# KiCad board Leviathan.kicad_pcb (continued)
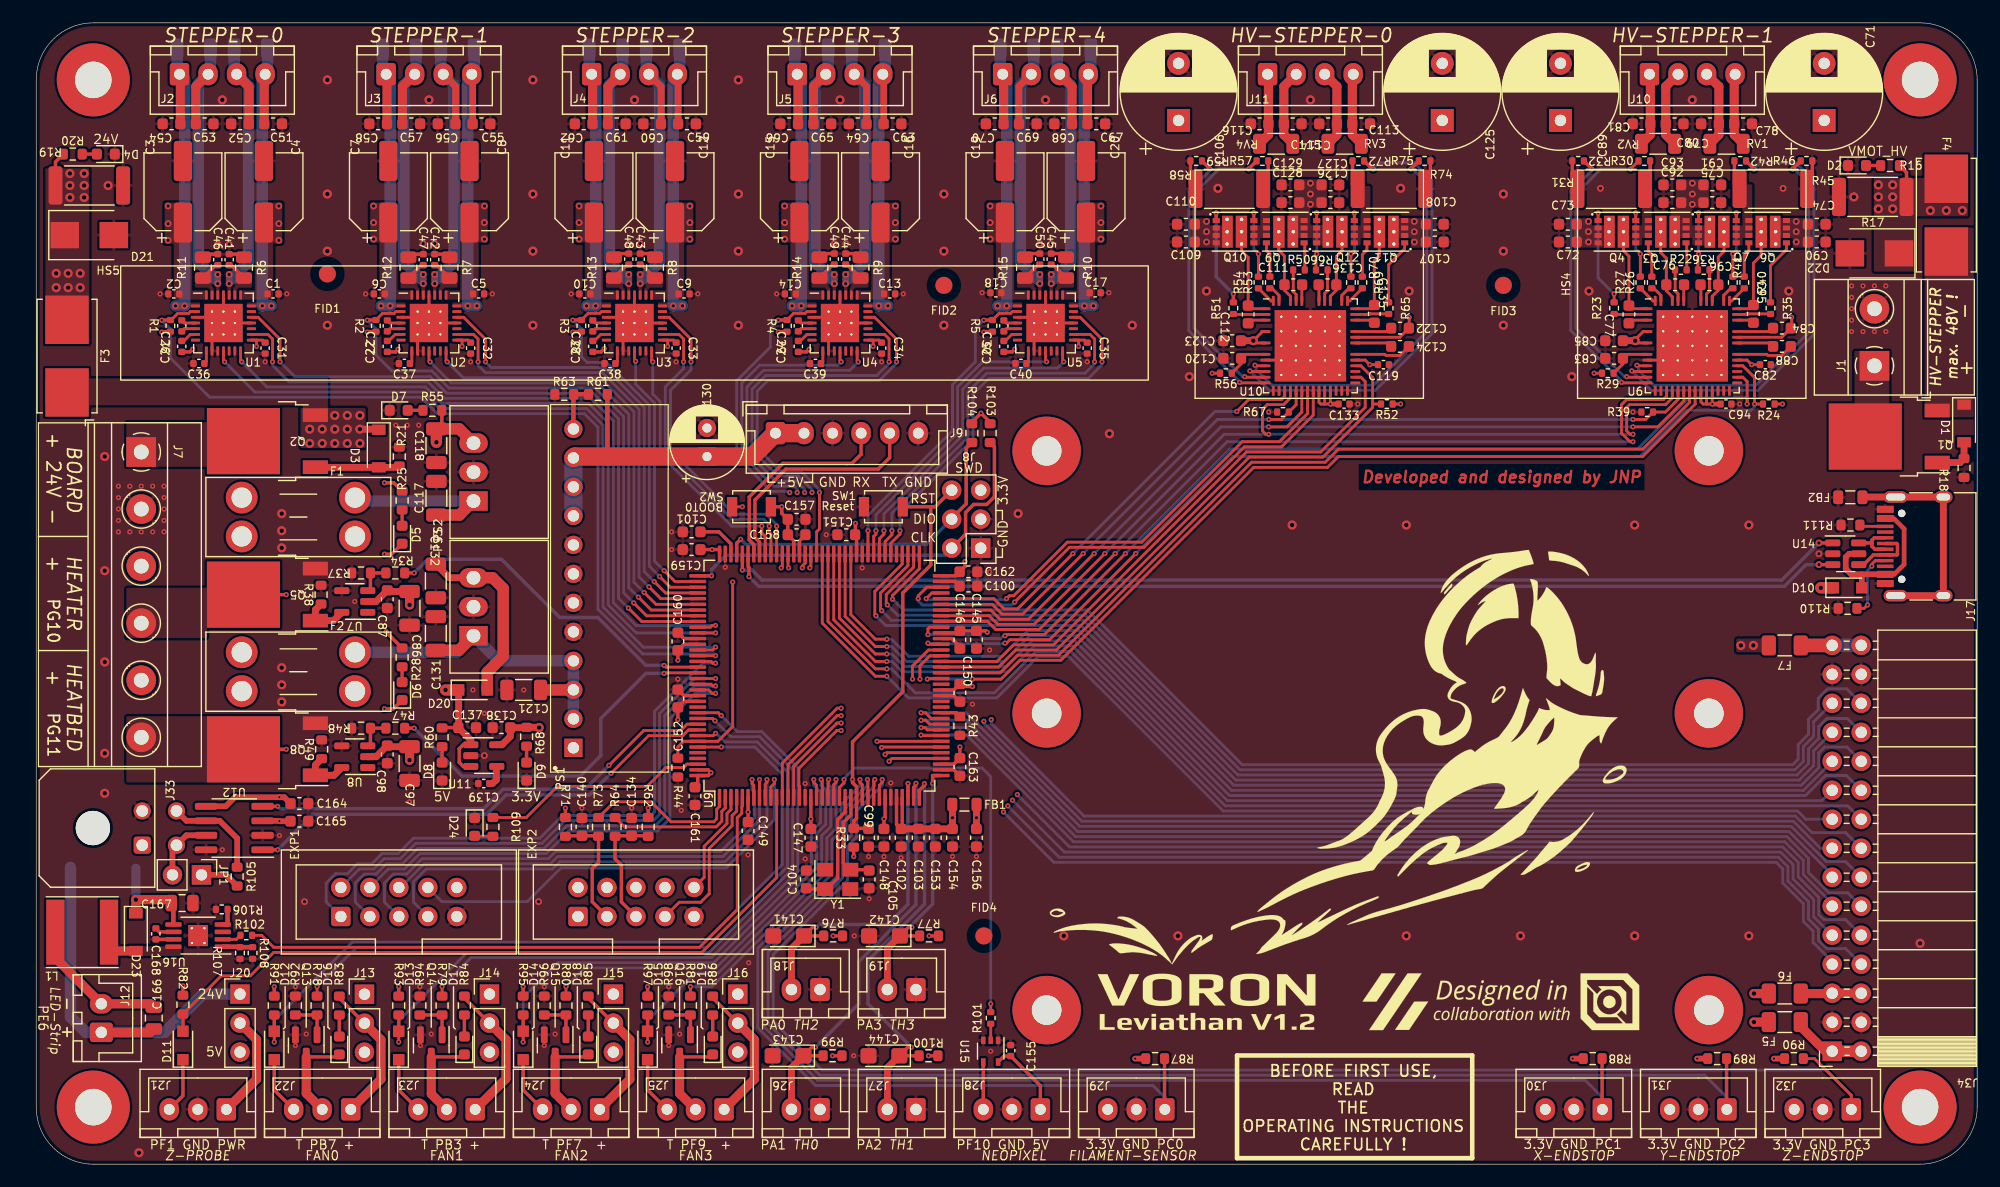
[diagram p0: board, top side]
## Nets (continued)
Net-(R41-Pad1): R41.1 U6.39
Net-(R42-Pad1): R42.1 U6.9
Net-(R43-Pad2): R43.2 U9.48
Net-(R46-Pad1): R46.1 U6.8
Net-(R47-Pad2): R47.2 R48.1 U8.3
Net-(R50-Pad1): R50.1 U10.44
Net-(R51-Pad1): R51.1 U10.2
Net-(R53-Pad1): R53.1 U10.46
Net-(R54-Pad1): R54.1 U10.47
Net-(R57-Pad1): R57.1 U10.10
Net-(R59-Pad1): R59.1 U10.11
Net-(R64-Pad2): R64.2 U9.2
Net-(R65-Pad1): R65.1 U10.36
Net-(R66-Pad1): R66.1 U10.41
Net-(R69-Pad1): R69.1 U10.38
Net-(R70-Pad1): R70.1 U10.39
Net-(R72-Pad1): R72.1 U10.9
Net-(R73-Pad2): R73.2 U9.1
Net-(R75-Pad1): R75.1 U10.8
Net-(R101-Pad2): R101.2 U9.22
Net-(R102-Pad2): R102.2 U9.5
Net-(R106-Pad1): R106.1 U16.4
Net-(R107-Pad1): R107.1 R108.1 U16.1

Pads without a net: H1 1; H2 1; H3 1; H4 1; J17 A8 B8; PS1 1; U1 7 12 17 20; U2 7 12 17 20; U3 7 12 17 20; U4 7 12 17 20; U5 7 12 17 20; U6 23 24 26 28; U7 1; U8 1; U9 77 141; U10 23 24 26 28; U16 3

## Via types
v1: diameter 0.45, hole 0.2, Top to Bottom, 355 vias
v2: diameter 0.6, hole 0.3, Top to Bottom, 108 vias
v3: diameter 0.8, hole 0.4, Top to Bottom, 108 vias

## Routing (per net, layer and track width the routed paths; a pad name or vN(x,y) marks a point on that pad's centre or on a via; arc(x,y) is an arc through that point)
+3.3VA: length 15.7
  Top w0.3: R100.1 v1(78.15,9.5) ; R77.1 v1(78.2,20) ; U9.32 75.35,29.78 C102.1 75.85,29.47 U9.33 ; R99.1 v1(69.75,9.5) ; R76.1 v1(69.8,20)
  Top w0.6: C102.1 C103.1 C153.1 C154.1 v2(80.25,30.35) 80.25,31.49 FB1.1
+3V3: length 94.8
  Top w0.25: C35.1 91.83,72.2 91.3,72.2 ; C34.1 73.83,72.2 73.3,72.2 ; 91.3,72.2 U5.15 ; 91.3,72.2 v1(91.3,71.65) ; U6.21 146.3,66.6 ; 146.3,66.6 v1(146.8,66.6) U6.22 ; 146.3,66.6 146,66.6 145.8,66.8 U6.20 ; 146.3,66.6 146.3,67.26 ; 19.3,72.2 v1(19.3,71.65) ; 19.3,72.2 U1.15 ; 19.3,72.2 19.83,72.2 C31.1 ; 37.3,72.2 v1(37.3,71.65) ; 37.3,72.2 37.83,72.2 C32.1 ; 37.3,72.2 U2.15 ; 55.3,72.2 v1(55.3,71.65) ; 55.3,72.2 U3.15 ; 55.3,72.2 55.83,72.2 C33.1 ; U10.22 v1(113.35,66.6) 112.85,66.6 ; 73.3,72.2 U4.15 ; 73.3,72.2 v1(73.3,71.65) ; 112.85,66.6 112.5,66.6 112.35,66.75 U10.20 ; 112.85,66.6 U10.21 ; R52.2 v1(119.5,66.6) ; R24.2 v1(152.95,66.6)
  Top w0.3: C149.1 v1(62.35,30.85) U9.6 ; R71.1 v1(46.35,31.2) ; R62.1 v1(53.6,31.2) ; U9.84 71.85,55.03 71.72,55.15 71.75,55.17 v1(71.75,56.15) ; R1.2 11.04,72.94 v1(11,72.9) ; v1(80.9,36.55) C163.1 80.38,35.05 U9.39 ; R104.1 81.95,65 v1(82.75,65.8) 83.55,65 R103.1 ; v1(82,41.85) 81.12,41.85 C150.1 80.38,41.55 U9.52 ; v1(47,72.9) 47.04,72.94 R3.2 ; SW2.1 v1(65.3,57.6) 65.3,57.03 C157.1 C158.1 66.35,54.62 U9.95 ; v1(81.35,52.8) 81.35,52.38 C162.1 80.53,51.55 U9.72 ; U9.121 56.72,45.55 C160.1 v1(56.2,44.15) ; R95.1 v1(42.65,15.55) ; U9.17 v1(67.85,30.25) C147.1 ; R2.2 29.04,72.94 v1(29,72.9) ; v1(56.2,38.95) C152.1 56.72,40.55 U9.131 ; v1(65,72.9) 65.04,72.94 R4.2 ; R91.1 v1(20.85,15.55) ; C148.1 v1(74.25,30.25) 74.35,30.35 U9.30 ; R93.1 v1(31.75,15.55) ; U9.108 59.85,53.85 v1(59.2,53.85) C159.1 ; R97.1 v1(53.55,15.55) ; U9.62 80.72,46.55 80.9,46.72 83.18,46.72 v1(83.3,46.6) ; R82.1 v1(12.85,15.62) ; v1(83,72.9) 83.04,72.94 R5.2 ; U9.143 58.85,34.55 v1(59.1,34.3) 58.85,34.05 U9.144 57.94,33.26 C161.1 ; R33.2 v1(71.6,26.95)
  Top w0.4: C94.1 v1(146.8,66.6) ; C133.1 v1(113.35,66.6)
  Top w0.5: R90.2 v1(152.2,9.25) ; R88.2 v1(134.57,9.25) ; R87.2 v1(96.25,9.25) ; R89.2 v1(145.47,9.25) ; U12.5 16.59,31.35 17.39,32.15 v1(21.3,32.15) 21.72,32.15 22.28,31.6
  Top w0.6: v3(44.05,38.25) 44.03,38.28 R68.2 42.92,38.25 C138.1 41.53,37.47 40.8,36.75 U11.5 ; C156.1 v2(82.35,30.35) 82.35,31.49 FB1.2
  Top w0.8: v3(150.45,14.95) F6.2
+5V: length 337.4
  Top w0.3: 35.55,38.22 35.58,38.25 C137.1 ; U11.1 37.4,36.75 37.05,36.4 37.05,35.2 37.4,34.85 U11.3 ; J28.1 87.95,6.87 C155.1 84.77,9.47 U15.5
  Top w0.5: 22.28,30.05 v1(21.3,30.05) 21.27,30.09 19.83,30.09
  Top w0.6: U11.1 38.06,37.16 C137.1 37,38.28 D20.1
  Top w0.8: v3(150.45,12.45) F5.2
  Top w1: D10.1 v3(156.3,50.5) ; D20.1 v3(35.85,41.55)
  In1.Cu w0.5: v1(21.3,30.05) 35.85,30.05
  In1.Cu w1: 52.35,1 41.4,1 ; 52.35,1 62.8,1 ; 52.35,1 52.35,8.02 J15.3 ; 41.4,1 30.5,1 ; 41.4,1 41.4,8.12 J14.3 ; 62.8,1 86.55,1 87.95,2.4 ; 62.8,1 62.8,8.47 J16.3 ; v3(35.85,41.55) 35.85,26.55 ; 87.95,2.4 89.35,1 148.7,1 150.45,2.75 150.45,7.35 ; 87.95,2.4 J28.1 ; 150.45,7.35 160.45,7.35 162.15,9.05 162.15,46.2 160.9,47.45 159.35,47.45 v3(156.3,50.5) ; 150.45,7.35 v3(150.45,12.45) ; 30.5,1 30.5,8.06 J13.3 ; 30.5,1 21.2,1 19.6,2.6 19.6,8.07 J20.3 16.63,9.82 15.55,10.9 15.55,17.1 25,26.55 35.85,26.55 ; 35.85,26.55 36.84,25.56 EXP1.10
+12V: length 174.6
  Top w0.25: U10.5 106.8,71.95 v3(106.6,72.15) 107.4,72.95 U10.4 ; U6.5 140.25,71.95 v3(140.05,72.15) 140.05,72.25 140.75,72.95 U6.4
  Top w0.3: R55.2 35.53,64.9 C118.1
  Top w0.6: C86.1 30.85,50.17 C87.1 29.78,49.3 U7.2 ; 32.7,36.58 30.85,36.58 C98.1 29.78,35.7 U8.2 ; v3(106.6,72.15) C123.1 ; v3(140.05,72.15) C85.1
  Top w0.8: C86.1 v3(32.7,49) ; 32.7,36.58 v3(32.7,35.4)
  Top w1: v3(35.05,63.25) C118.1 37.06,64.42 PS2.3
  In2.Cu w0.8: v3(35.05,63.25) 32.05,60.25 32.05,49.65 v3(32.7,49) 32.05,48.35 32.05,36.05 v3(32.7,35.4)
  In2.Cu w1: 97.1,67.55 101.7,72.15 v3(106.6,72.15) ; 97.1,67.55 130.6,67.55 135.2,72.15 v3(140.05,72.15) ; 97.1,67.55 39.35,67.55 v3(35.05,63.25)
+24V: length 187.5
  Top w0.3: v1(13.7,71.4) 13.47,71.17 C21.1 ; v1(67.7,71.4) 67.47,71.17 C24.1 ; R20.2 1.69,87.81 R19.2 ; v1(31.7,71.4) 31.47,71.17 C22.1 ; C23.1 49.47,71.17 v1(49.75,71.45) ; C25.1 85.47,71.17 v1(85.7,71.4)
  Top w0.4: U16.5 12.02,22.69 C167.1
  Top w0.8: C167.1 11.53,23.18 v3(8.73,23.18) D23.1 ; C166.1 10,11.55 J12.1
  In1.Cu w0.4: v1(49.75,71.45) 49.75,75 ; v1(85.7,71.4) 85.7,75 ; v1(31.7,71.4) 31.7,75.15 ; v1(13.7,71.4) 13.7,75.05 ; v1(67.7,71.4) 67.7,75
  In1.Cu w1: J20.1 18.2,14.55 28.41,14.55 J13.1 29.09,14.55 39.35,14.55 J14.1 40.05,14.55 50.2,14.55 J15.1 50.9,14.55 61.1,14.55 J16.1
  In1.Cu w1.2: 94.65,75.45 94.65,68.05 117.25,45.45 v3(149.3,45.45) v3(150.4,45.45)
  Bottom w0.8: v3(8.73,23.18) 8.73,25.93
  Bottom w1: J20.1 14.6,14.9 11.25,11.55 J12.1 4.35,11.55 3,12.9 3,26
  vias: v2(11.55,83.95) v2(11.55,82.4) v2(11.55,80.95) v2(21.25,83.95) v2(21.25,82.4) v2(21.25,80.95) v2(29.55,83.95) v2(29.55,82.5) v2(29.55,81.05) v2(39.25,83.95) v2(39.25,82.5) v2(39.25,81.05) v2(47.55,83.95) v2(47.55,82.5) v2(47.55,81.05) v2(57.25,83.95) v2(57.25,82.5) v2(57.25,81.05) v2(65.55,83.95) v2(65.55,82.5) v2(65.55,81.05) v2(75.25,83.95) v2(75.25,82.5) v2(75.25,81.05) v2(83.55,83.95) v2(83.55,82.5) v2(83.55,81.05) v2(93.25,83.95) v2(93.25,82.5) v2(93.25,81.05) v3(1.75,78.05) v3(1.75,76.8) v3(2.8,78.05) v3(2.8,76.8) v3(2.95,86.8) v3(2.95,85.75) v3(2.95,84.7) v3(3.85,78.05) v3(3.85,76.8) v3(4.2,86.8) v3(4.2,85.75) v3(4.2,84.7)
GND: length 106
  Top w0.25: U3.3 51.9,74.2 U3.29 ; U4.18 U4.29 ; U4.29 U4.29 ; U4.29 U4.25 ; U4.29 69.9,74.2 U4.3 ; U4.29 U4.29 U4.9 ; U3.25 U3.29 ; U3.29 U3.29 ; U3.29 U3.18 ; U3.29 U3.29 U3.9 ; U5.3 87.9,74.2 U5.29 ; U5.18 U5.29 ; U5.29 U5.29 ; U5.29 U5.25 ; U5.29 U5.29 U5.9 ; U1.29 U1.29 ; U1.29 U1.25 ; U1.29 U1.18 ; U1.29 15.9,74.2 U1.3 ; U1.29 U1.29 U1.9 ; U2.29 U2.29 ; U2.29 U2.18 ; U2.29 33.9,74.2 U2.3 ; U2.29 U2.25 ; U2.29 U2.29 U2.9 ; U6.7 143.8,70.45 U6.48 ; U10.48 110.35,70.45 U10.7
  Top w0.3: R45.2 155.56,85.9 R46.2 ; U9.61 80.2,46.05 80.9,45.35 C146.2 ; R13.2 50.92,79.78 C48.1 ; R74.2 122.11,85.9 R75.2 ; C44.1 71.88,79.78 R9.2 ; U16.7 10.48,19.7 C168.2 ; R12.2 32.87,79.73 C47.1 ; R15.2 86.92,79.78 C50.1 ; R11.2 14.87,79.73 C46.1 ; R58.2 101.09,85.9 R59.2 ; R7.2 35.93,79.73 C42.1 ; U9.94 66.85,54.62 C158.2 ; C152.2 56.72,41.05 U9.130 ; C163.2 80.38,34.55 U9.38 ; C43.1 53.88,79.78 R8.2 ; U9.51 80.38,41.05 C150.2 ; C49.1 68.92,79.78 R14.2 ; R32.2 134.54,85.9 R31.2 ; R6.2 17.93,79.73 C41.1 ; U9.120 56.72,46.05 C160.2 ; R10.2 89.88,79.78 C45.1
  vias: v1(7.2,59.4) v1(7.2,58.4) v1(7.2,57.4) v1(7.2,56.4) v1(7.2,55.4) v1(8.2,59.4) v1(8.2,55.4) v1(9.2,59.4) v1(9.2,55.4) v1(10.2,59.4) v1(10.2,55.4) v1(10.85,76.25) v1(11.2,59.4) v1(11.2,58.4) v1(11.2,57.4) v1(11.2,56.4) v1(11.2,55.4) v1(16.3,27.55) v1(20.05,70.3) v1(21.3,28.8) v1(21.95,76.25) v1(22.7,15.55) v1(22.7,10.4) v1(23.65,11.4) v1(27.9,49.3) v1(28.85,76.25) v1(31.5,64.75) v1(32.5,64.75) v1(32.7,31.75) v1(33.5,64.75) v1(33.6,15.55) v1(33.65,10.4) v1(34.6,11.4) v1(38.05,70.3) v1(38.25,41.55) v1(39.25,39.5) v1(39.95,76.25) v1(42.7,41.55) v1(44.5,15.55) v1(44.5,10.4) v1(45.45,11.4) v1(46.85,76.25) v1(47.8,31.2) v1(52.15,31.2) v1(55.4,15.55) v1(55.4,10.4) v1(55.65,55.4) v1(55.65,53.85) v1(56.05,70.3) v1(56.2,42.5) v1(56.35,11.4) v1(56.5,31) v1(57.95,76.25) v1(60.35,52.3) v1(62.35,27.1) v1(62.4,17.65) v1(64.85,76.25) v1(67.35,33.35) v1(67.35,26.75) v1(69.2,55.15) v1(71.6,9.5) v1(71.65,20) v1(72.35,52.25) v1(72.9,26.95) v1(72.95,23.25) v1(74.05,70.3) v1(74.25,26.95) v1(74.85,33.4) v1(75.75,26.85) v1(75.95,76.25) v1(80.25,26.95) v1(82,40.3) v1(82.35,26.95) v1(82.85,76.35) v1(83.5,51.9) v1(83.5,45.05) v1(83.6,9.9) v1(92.05,70.3) v1(93.95,76.35) v1(107.95,65.9) v1(115.75,66.6) v1(139.85,65.9) v1(149.2,66.6) v1(159,76.95) v1(159,75.95) v1(159,74.95) v1(159,73.95) v1(159,72.95) v1(160,76.95) v1(160,72.95) v1(161,76.95) v1(161,72.95) v1(162,76.95) v1(162,72.95) v2(15.9,80.6) v2(16.9,80.6) v2(23.5,23) v2(33.9,80.65) v2(34.9,80.65) v2(39.25,35.8) v2(44,23) v2(51.9,80.65) v2(52.9,80.65) v2(69.9,80.65) v2(70.9,80.65) v2(87.9,80.65) v2(88.9,80.65) v2(137,85.5) v2(153,85.5) v2(156.14,53.48) v3(6,62) v3(6,52) v3(6,44) v3(6,36) v3(6,32.5) v3(6.3,85.75) v3(9,1) v3(16.3,93.25) v3(21.5,57) v3(21.5,55.5) v3(21.5,54) v3(21.5,43.5) v3(21.5,42) v3(21.5,40.5) v3(25.5,95) v3(25.5,85) v3(25.5,80) v3(25.5,73.5) v3(34.4,93.25) v3(43.5,95) v3(43.5,85) v3(43.5,80) v3(43.5,73.5) v3(52.4,93.25) v3(61.5,95) v3(61.5,85) v3(61.5,80) v3(61.5,73.5) v3(70.4,93.25) v3(79.5,85) v3(79.5,80) v3(79.5,73.5) v3(86,57) v3(88.4,93.25) v3(90,20) v3(94,64) v3(96,73.5) v3(100,20) v3(101,69) v3(102.5,76.5) v3(103.5,85.5) v3(110,56) v3(111.6,93.25) v3(119.5,85.5) v3(120,56) v3(120,20) v3(120.25,76.5) v3(128.5,85) v3(128.5,80) v3(128.5,73.5) v3(130,20) v3(134.5,69) v3(136,76.5) v3(140,56) v3(140,20) v3(145.05,93.25) v3(150,56) v3(150,20) v3(153.5,76.5) v3(159.2,84.75) v3(165,19.35)
VDD: length 48.3
  Top w0.6: 28.45,64.4 29.95,64.4 D3.1
  Top w1: PS1.3 47.04,41.55 C121.1 ; C131.1 37.03,45.03 PS3.1 ; C117.1 37.08,56.88 PS2.1
  Bottom w1: PS1.2 PS1.3 PS1.4 40.5,44.1 PS3.1 36.85,44.85 F2.2 ; F1.2 28.22,58.1 PS2.1
  vias: v3(23.95,64.4) v3(23.95,63.15) v3(25.05,64.4) v3(25.05,63.15) v3(26.15,65.6) v3(26.15,64.4) v3(26.15,63.15) v3(27.25,65.6) v3(27.25,64.4) v3(27.25,63.15) v3(28.35,65.6) v3(28.35,64.4) v3(28.35,63.15)
+5P: length 31.6
  Top w0.4: R61.2 50.03,62.03 50.05,62
  Top w1.6: PS1.11 47.17,62 C130.1 62.7,62 J9.1 J9.2
  Bottom w1.6: PS1.9 PS1.10 PS1.11
A1_DRV0: length 26.1
  Top w0.8: J2.3 18.62,94.42 C52.1
  Bottom w1: 17.1,77.55 18.6,79.05 18.6,94.45 J2.3 17.34,95.71 RV6.1
  vias: v2(16.9,77.95) v2(16.9,77.15)
A1_DRV1: length 26.1
  Top w0.6: J3.3 36.72,94.42 36.72,91.15
  Bottom w1: 35.1,77.55 36.6,79.05 36.6,94.55 J3.3 35.44,95.71 RV8.1
  vias: v2(34.9,77.95) v2(34.9,77.15)
A1_DRV2: length 26.1
  Top w0.6: 54.72,91.15 54.72,94.42 J4.3
  Bottom w1: 53.1,77.55 54.6,79.05 54.6,94.55 J4.3 53.44,95.71 RV10.1
  vias: v2(52.9,77.95) v2(52.9,77.15)
A1_DRV3: length 26.1
  Top w0.6: J5.3 72.72,94.42 72.72,91.15
  Bottom w1: 71.1,77.55 72.6,79.05 72.6,94.55 J5.3 71.44,95.71 RV12.1
  vias: v2(70.9,77.95) v2(70.9,77.15)
A1_DRV4: length 26.1
  Top w0.8: C68.1 90.72,94.42 J6.3
  Bottom w1: 89.1,77.55 90.6,79.05 90.6,94.55 J6.3 89.44,95.71 RV14.1
  vias: v2(88.9,77.95) v2(88.9,77.15)
A2_DRV0: length 27.9
  Top w0.8: C51.1 19.97,95.42 J2.4
  Bottom w1: RV6.2 20.26,95.71 J2.4 19.8,95.25 v2(19.8,75.2) v2(20.6,75.2)
A2_DRV1: length 28
  Top w0.6: J3.4 38.22,95.42 C55.1
  Bottom w1: v2(38.6,75.2) v2(37.8,75.2) 37.8,95.15 J3.4 38.36,95.71 RV8.2
A2_DRV2: length 28
  Top w0.6: J4.4 56.22,95.42 C59.1
  Bottom w1: v2(56.6,75.2) v2(55.8,75.2) 55.8,95.15 J4.4 56.36,95.71 RV10.2
A2_DRV3: length 28
  Top w0.6: C63.1 74.22,95.42 J5.4
  Bottom w1: v2(74.6,75.2) v2(73.8,75.2) 73.8,95.15 J5.4 74.36,95.71 RV12.2
A2_DRV4: length 28
  Top w0.8: J6.4 92.07,95.42 C67.1
  Bottom w1: RV14.2 92.36,95.71 J6.4 91.8,95.15 v2(91.8,75.2) v2(92.6,75.2)
B1_DRV0: length 26.1
  Top w0.8: J2.2 13.98,94.42 C53.1
  Bottom w1: RV5.2 15.26,95.71 J2.2 14.2,94.65 14.2,79.05 15.7,77.55
  vias: v2(15.9,77.95) v2(15.9,77.15)
B1_DRV1: length 26.1
  Top w0.8: 32.08,91.15 32.08,94.42 J3.2
  Bottom w1: 33.7,77.55 32.2,79.05 32.2,94.55 J3.2 33.26,95.61 RV7.2
  vias: v2(33.9,77.95) v2(33.9,77.15)
B1_DRV2: length 26.1
  Top w0.8: J4.2 50.08,94.42 50.08,91.15
  Bottom w1: 51.7,77.55 50.2,79.05 50.2,94.55 J4.2 51.36,95.71 RV9.2
  vias: v2(51.9,77.95) v2(51.9,77.15)
B1_DRV3: length 26.1
  Top w0.8: J5.2 68.08,94.42 68.08,91.15
  Bottom w1: RV11.2 69.36,95.71 J5.2 68.2,94.55 68.2,79.05 69.7,77.55
  vias: v2(69.9,77.95) v2(69.9,77.15)
B1_DRV4: length 26.1
  Top w0.6: J6.2 86.07,94.42 C69.1
  Bottom w1: RV13.2 87.36,95.71 J6.2 86.2,94.55 86.2,79.05 87.7,77.55
  vias: v2(87.9,77.95) v2(87.9,77.15)
B2_DRV0: length 27.9
  Top w0.8: C54.1 12.62,95.42
  Bottom w1: RV5.1 12.34,95.71 J2.1 13,95.05 v2(13,75.2) v2(12.2,75.2)
B2_DRV1: length 28
  Top w0.8: J3.1 30.72,95.42 30.72,91.15
  Bottom w1: RV7.1 30.34,95.81 J3.1 31,95.15 v2(31,75.2) v2(30.2,75.2)
B2_DRV2: length 28
  Top w0.8: J4.1 48.72,95.42 48.72,91.15
  Bottom w1: v2(48.2,75.2) v2(49,75.2) 49,95.15 J4.1 48.44,95.71 RV9.1
B2_DRV3: length 28
  Top w0.8: J5.1 66.72,95.42 66.72,91.15
  Bottom w1: RV11.1 66.44,95.71 J5.1 67,95.15 v2(67,75.2) v2(66.2,75.2)
B2_DRV4: length 28
  Top w0.8: C70.1 84.72,95.42 J6.1
  Bottom w1: RV13.1 84.44,95.71 J6.1 85,95.15 v2(85,75.2) v2(84.2,75.2)
BEEPER: length 52.3
  Top w0.25: U9.124 59.1,44.05 59.25,43.9 v1(59.5,43.9)
  Bottom w0.25: v1(59.5,43.9) 58.38,43.9 56.43,41.95 56.43,41.95 54.15,39.67 54.15,30.85 53.85,30.55 46.1,30.55 44.11,28.56 33.05,28.56 31.7,27.21 30.29,27.21 29.39,26.31 28.12,26.31 27.25,25.45 26.23,25.45 25.4,24.62 25.4,22.98 EXP1.1
BOOT0: length 27
  Top w0.25: SW2.2 v1(61.85,57.6) ; v1(61,51) 61,38.35 59.7,37.05 U9.138 56.7,37.05 56.2,36.55 R44.1
  In1.Cu w0.25: v1(61.85,57.6) 61,56.75 v1(61,51)
BTN_EN1: length 10.7
  Top w0.3: EXP2.5 51.25,22.98 51.25,26.2 50.7,26.75 50.7,28.72 50.75,28.78 C134.1 53.55,28.78 53.6,28.72
BTN_EN2: length 10.7
  Top w0.3: 46.35,28.72 46.4,28.78 C140.1 49.2,28.78 49.25,28.72 49.25,26.45 48.7,25.9 48.7,22.99 EXP2.3
BTN_ENC: length 47.1
  Top w0.25: U9.127 v1(59.5,42.55)
  Bottom w0.25: EXP1.2 28.3,25.86 29.57,25.86 30.47,26.76 31.88,26.76 33.23,28.11 44.3,28.11 46.29,30.1 54.04,30.1 54.6,30.66 54.6,39.49 56.61,41.5 56.61,41.5 57.66,42.55 v1(59.5,42.55)
CAN_H: length 5.7
  Top w0.5: U12.7 13.15,28.81 J33.3 11.94,27.6 11.94,25.35
CAN_L: length 8.8
  Top w0.5: R105.2 17.6,28.55 16.06,30.09 13.15,30.09 J33.4
CAN_RX: length 41.3
  Top w0.25: v1(50.16,34.94) 53.22,38 56.45,38 57,38.55 U9.135
  Top w0.3: U12.4 21.14,31.35 v1(21.15,31.35)
  Bottom w0.3: v1(21.15,31.35) 21.35,31.15 39.2,31.15 40.9,32.85 48.07,32.85 v1(50.16,34.94)
CAN_TX: length 42.5
  Top w0.25: U9.136 57.13,38.05 56.63,37.55 53.65,37.55 v1(50.35,34.25)
  Top w0.3: v1(21.15,27.55) 21.14,27.54 U12.1
  Bottom w0.3: v1(50.35,34.25) 48.45,32.35 41.15,32.35 39.45,30.65 24.25,30.65 v1(21.15,27.55)
CS_DRV_HV0: length 38.7
  Top w0.25: U10.14 109.35,67.28 109.07,67 106.2,67 v1(105.15,65.95) ; U9.68 83.87,49.55 84.77,48.65 85.95,48.65 v1(90.8,53.5)
  Bottom w0.25: v1(90.8,53.5) 103.25,65.95 v1(105.15,65.95)
CS_DRV_HV1: length 76.2
  Top w0.25: U9.64 83.33,47.55 84.03,46.85 87.85,46.85 v1(94.5,53.5) ; U6.14 142.8,67.28 142.52,67 139.3,67 138.85,66.55 138.85,64.05 139.6,63.3 v1(139.85,63.3)
  Bottom w0.25: v1(94.5,53.5) 104.3,63.3 v1(139.85,63.3)
DIAG_DRV0: length 65.4
  Top w0.25: v1(16.5,70.3) 16.4,70.4 U1.11 ; U9.122 59.25,45.05 v1(59.5,45.3)
  Bottom w0.25: v1(59.5,45.3) 53.16,45.3 49.65,48.81 49.65,64.75 48.2,66.2 35.35,66.2 33.9,67.65 19.15,67.65 v1(16.5,70.3)
DIAG_DRV1: length 42.3
  Top w0.25: v1(52.75,49.68) 53.87,48.55 U9.115 ; U2.11 34.4,70.4 v1(34.5,70.3)
  Bottom w0.25: v1(52.75,49.68) 51.9,50.52 51.9,65.7 49.15,68.45 36.35,68.45 v1(34.5,70.3)
DIAG_DRV2: length 23.7
  Top w0.25: v1(52.5,70.35) 52.4,70.45 U3.11 ; U9.110 55.95,51.05 v1(55,52)
  Bottom w0.25: v1(55,52) 54.15,52.85 54.15,66.69 52.5,68.34 v1(52.5,70.35)
DIAG_DRV3: length 31.3
  Top w0.25: U9.96 65.85,52.3 v1(65.9,52.25) ; U4.11 70.4,70.4 v1(70.5,70.3)
  In1.Cu w0.25: v1(66.65,58.85) 66.65,53.55 65.9,52.8 v1(65.9,52.25)
  Bottom w0.25: v1(66.65,58.85) 66.65,59.13 66.38,59.4 64.59,59.4 61.8,62.19 61.8,68.45 63.35,70 70.2,70 v1(70.5,70.3)
DIAG_DRV4: length 27.4
  Top w0.25: v1(73.55,55.5) 73.55,55.2 73.35,55 U9.81 ; U5.11 88.4,70.4 v1(88.5,70.3)
  Bottom w0.25: v1(73.55,55.5) 73.55,56.91 80.7,64.06 80.7,68.1 82.9,70.3 v1(88.5,70.3)
DIAG_DRV_HV0: length 49.6
  Top w0.25: U10.27 116.02,68.95 116.4,68.57 116.4,66.3 112.5,62.4 106,62.4 89.1,45.5 85.6,45.5 84.15,44.05 U9.57
DIAG_DRV_HV1: length 85.8
  Top w0.25: U6.27 149.47,68.95 149.85,68.57 v1(149.85,66.6) ; v1(78.1,46.4) 78.1,46.9 78.25,47.05 U9.63 ; v1(95.4,53.5) 88.3,46.4 84.95,46.4 v1(84.85,46.3)
  Bottom w0.25: v1(149.85,66.6) 149.85,67 149.7,67.15 144.74,67.15 140.25,62.65 104.55,62.65 v1(95.4,53.5) ; v1(84.85,46.3) 84.72,46.3 84.47,46.05 82.95,46.05 82.6,46.4 v1(78.1,46.4)
Din: length 1.5
  Top w0.25: R101.1 U15.2
DIR_DRV0: length 60.5
  Top w0.25: v1(51.87,48.72) 53.04,47.55 U9.117 ; v1(21.35,70.3) 21.35,72.28 19.43,74.2 U1.19
  Bottom w0.25: v1(51.87,48.72) 51,49.59 51,65.31 48.76,67.55 35.96,67.55 34.51,69 22.65,69 v1(21.35,70.3)
DIR_DRV1: length 40.7
  Top w0.25: v1(39.35,70.3) 39.35,72.28 37.43,74.2 U2.19 ; U9.112 55.12,50.05 v1(54.13,51.04)
  Bottom w0.25: v1(39.35,70.3) 39.85,69.8 49.77,69.8 53.25,66.32 53.25,51.92 v1(54.13,51.04)
DIR_DRV2: length 28.3
  Top w0.25: v1(57.35,70.3) 57.35,72.28 55.43,74.2 U3.19 ; U9.98 v1(64.85,55.9)
  Bottom w0.25: v1(57.35,70.3) 57.35,69.6 55.55,67.8 55.55,62.55 61.15,56.95 63.93,56.95 64.85,56.03 v1(64.85,55.9)
DIR_DRV3: length 36.3
  Top w0.25: U9.91 68.35,55.4 68.6,55.65 v1(68.6,58.85) ; v1(75.35,70.3) 75.35,72.28 73.43,74.2 U4.19
  Bottom w0.25: v1(68.6,58.85) 68.6,59.09 66.94,60.75 65.15,60.75 63.15,62.75 63.15,67.73 64.07,68.65 73.83,68.65 75.35,70.17 v1(75.35,70.3)
DIR_DRV4: length 34.9
  Top w0.25: U5.19 91.43,74.2 93.35,72.28 v1(93.35,70.3) ; U9.78 74.85,54.4 75.65,55.2 v1(75.65,55.5)
  Bottom w0.25: v1(93.35,70.3) 93.35,70.05 92.15,68.85 83.44,68.85 82.05,67.46 82.05,63.5 75.65,57.1 v1(75.65,55.5)
DIR_DRV_HV0: length 46.5
  Top w0.25: U9.70 78,50.55 77.25,49.8 v1(77.25,49.55) ; U10.19 111.85,65.63 109.07,62.85 105.81,62.85 97.01,54.05 90.5,54.05 v1(85.7,49.25)
  Bottom w0.25: v1(77.25,49.55) 77.25,49.35 77.6,49 85.45,49 v1(85.7,49.25)
DIR_DRV_HV1: length 79.6
  Top w0.25: v1(82,42.5) 84.51,42.5 86.16,44.15 89.74,44.15 106.64,61.05 113.1,61.05 114.05,62 140.7,62 145.3,66.6 U6.19 ; v1(78.05,42.5) 78.1,42.55 U9.54
  Bottom w0.25: v1(82,42.5) v1(78.05,42.5)
EN_DRV0: length 76.3
  Top w0.25: R1.1 11.81,73.96 12.39,74.54 13.34,74.54 13.5,74.7 U1.2 ; U9.123 v1(59.5,44.55)
  Top w0.3: v1(11,73.95) 11.01,73.96 R1.1
  Bottom w0.25: v1(11,73.95) 11.75,73.2 11.75,70.64 15.19,67.2 33.68,67.2 35.13,65.75 48.02,65.75 49.2,64.57 49.2,48.63 53.13,44.7 59.35,44.7 v1(59.5,44.55)
EN_DRV1: length 53.3
  Top w0.25: R2.1 30.34,74.55 31.35,74.55 31.5,74.7 U2.2 ; U9.116 53.46,48.05 v1(52.34,49.17)
  Top w0.3: R2.1 29.01,73.96 v1(29,73.95)
  Bottom w0.25: v1(52.34,49.17) 51.45,50.06 51.45,65.5 48.95,68 36.15,68 34.65,69.5 31.15,69.5 29.75,70.9 29.75,73.2 v1(29,73.95)
EN_DRV2: length 33.6
  Top w0.25: R3.1 48.34,74.55 49.35,74.55 49.5,74.7 U3.2 ; U9.111 55.54,50.55 v1(54.6,51.49)
  Top w0.3: R3.1 47.01,73.96 v1(47,73.95)
  Bottom w0.25: v1(47,73.95) 47.75,73.2 47.75,70.75 48.25,70.25 49.95,70.25 53.7,66.5 53.7,52.39 v1(54.6,51.49)
EN_DRV3: length 30.8
  Top w0.25: U4.2 67.5,74.7 67.35,74.55 66.34,74.55 R4.1 ; U9.97 65.35,52.35 v1(65.25,52.25)
  Top w0.3: R4.1 65.01,73.96 v1(65,73.95)
  In1.Cu w0.25: v1(65.25,52.25) 65.25,52.85 66,53.6 v1(66,58.85)
  Bottom w0.25: v1(66,58.85) 65.9,58.95 64.4,58.95 61.35,62 61.35,68.64 64.3,71.59 64.3,73.25 v1(65,73.95)
EN_DRV4: length 28
  Top w0.25: U5.2 85.5,74.7 85.35,74.55 84.34,74.55 R5.1 ; U9.82 v1(72.85,55.5)
  Top w0.3: v1(83,73.95) 83.01,73.96 R5.1
  Bottom w0.25: v1(72.85,55.5) 72.85,56.85 80.25,64.25 80.25,68.29 82.25,70.29 82.25,73.2 v1(83,73.95)
EN_DRV_HV0: length 52.5
  Top w0.25: R52.1 117.05,66.6 ; 117.05,66.6 117.05,68.92 116.02,69.95 U10.29 ; 117.05,66.6 117.05,66.3 112.7,61.95 106.25,61.95 89.35,45.05 85.79,45.05 84.29,43.55 U9.56
EN_DRV_HV1: length 87.5
  Top w0.25: v1(96.3,53.5) 88.75,45.95 85.28,45.95 84.98,45.65 v1(84.85,45.65) ; R24.1 v1(150.5,66.6) 150.5,68.92 149.47,69.95 U6.29 ; v1(78.1,45.65) 78.2,45.55 U9.60
  Bottom w0.25: v1(150.5,66.6) 150.5,66.35 150.2,66.05 144.51,66.05 140.47,62 104.8,62 v1(96.3,53.5) ; v1(84.85,45.65) 84.8,45.6 78.15,45.6 v1(78.1,45.65)
Filament: length 70.8
  Top w0.25: v1(72.15,33.7) 72.15,33.45 72.35,33.25 U9.26
  Top w0.3: J29.1 98.82,4.82 R87.1
  Bottom w0.25: v1(72.15,33.7) 72.15,33.16 70.5,31.51 70.5,29.21 69.7,28.41 69.7,25.43 63.2,18.93 63.2,11.95 68.25,6.9 97.8,6.9 98.85,5.85 J29.1
Heatbed: length 15.7
  Top w0.3: D6.1 31.29,39.9 v1(30.5,39.9) ; Q8.2 v1(21.9,36.35)
  In1.Cu w0.3: v1(21.9,36.35) 26.95,36.35 v1(30.5,39.9)
Heater: length 15.7
  Top w0.3: Q5.2 v1(21.9,49.9) ; v1(30.5,53.45) 31.14,53.45 D5.1
  In1.Cu w0.3: v1(30.5,53.45) 26.95,49.9 v1(21.9,49.9)
KILL: length 9.2
  Top w0.25: EXP2.10 58.5,25.13 58.5,27.85 60.5,29.85 60.5,30.72 60.85,31.07 U9.3
LCD_D4: length 43.3
  Top w0.25: v1(62.7,33.7) 62.7,33.35 62.85,33.2 U9.7
  Bottom w0.25: EXP1.5 30.5,22.96 30.5,24.64 31.27,25.41 32.44,25.41 33.79,26.76 44.86,26.76 45.49,27.4 59.96,27.4 62.9,30.34 62.9,32.6 62.7,32.8 v1(62.7,33.7)
LCD_D5: length 39.2
  Top w0.25: U9.8 v1(63.35,33.7)
  Bottom w0.25: EXP1.6 31.9,24.24 33.98,26.31 45.04,26.31 45.68,26.95 60.15,26.95 63.35,30.15 v1(63.35,33.7)
LCD_D6: length 41.9
  Top w0.25: v1(64,33.7) 64,33.45 63.85,33.3 U9.9
  Bottom w0.25: v1(64,33.7) 64,30.16 60.34,26.5 45.86,26.5 45.23,25.86 34.16,25.86 33.05,24.75 33.05,22.95 EXP1.7
LCD_D7: length 39
  Top w0.25: v1(64.65,33.7) 64.65,33.35 64.35,33.05 U9.10
  Bottom w0.25: EXP1.8 35.54,23 43,23 45.95,25.95 60.42,25.95 64.65,30.18 v1(64.65,33.7)
LCD_EN: length 49
  Top w0.25: U9.128 59.1,42.05 59.25,41.9 v1(59.5,41.9)
  Bottom w0.25: EXP1.3 27.95,22.97 27.95,24.63 28.73,25.41 29.76,25.41 30.66,26.31 32.07,26.31 33.42,27.66 44.48,27.66 46.47,29.65 54.22,29.65 55.05,30.48 55.05,39.3 56.8,41.05 56.8,41.05 57.65,41.9 v1(59.5,41.9)
LCD_RS: length 44.1
  Top w0.25: v1(59.5,41.25) 59.2,41.25 58.9,41.55 U9.129
  Bottom w0.25: EXP1.4 30.84,25.86 32.26,25.86 33.61,27.21 44.67,27.21 46.66,29.2 54.41,29.2 55.5,30.29 55.5,39.03 57.72,41.25 v1(59.5,41.25)
LED_PWM: length 1.7
  Top w0.25: U16.2 17.54,19.7 R102.1
PB0: length 87.5
  Top w0.25: U9.46 78.25,38.55 77.9,38.9 v1(77.5,38.9)
  Bottom w0.25: J34.13 157.3,25.37 153.52,29.15 91.22,29.15 81.46,38.9 v1(77.5,38.9)
PB1: length 90.3
  Top w0.25: U9.47 78.39,39.05 77.89,39.55 v1(77.5,39.55)
  Bottom w0.25: J34.14 158.47,26.5 156.8,26.5 153.71,29.59 91.41,29.59 81.45,39.55 v1(77.5,39.55)
PC4: length 88.7
  Top w0.25: U9.44 77.55,37.55 v1(77.5,37.6)
  Bottom w0.25: J34.11 157.3,22.84 154.78,25.37 154.78,26.62 153.15,28.25 90.85,28.25 81.49,37.6 v1(77.5,37.6)
PC5: length 91.4
  Top w0.25: v1(77.5,38.25) 77.85,38.25 78.05,38.05 U9.45
  Bottom w0.25: J34.12 158.66,23.78 157,23.78 155.22,25.55 155.22,26.81 153.34,28.69 91.03,28.69 81.48,38.25 v1(77.5,38.25)
PD14: length 104.5
  Top w0.25: v1(74.5,46) 73.5,46 71.35,48.15 U9.85
  Bottom w0.25: J34.22 158.59,36.55 156.65,36.55 156.12,36.03 156.12,34.73 154.6,33.2 104.88,33.2 91.33,46.75 86.84,46.75 84.59,44.5 76.41,44.5 74.91,46 v1(74.5,46)
PD15: length 101.2
  Top w0.25: v1(74.5,45.35) 73.5,45.35 70.85,48 U9.86
  Bottom w0.25: J34.21 157.3,35.27 154.78,32.75 104.7,32.75 91.15,46.3 87.03,46.3 84.78,44.05 76.22,44.05 74.92,45.35 v1(74.5,45.35)
PE1: length 19.9
  Top w0.25: R109.2 42.92,30.38 45.65,33.1 53.5,33.1 55.15,34.75 56.7,34.75 57,35.05 U9.142
PE7: length 92.2
  Top w0.25: U9.58 78.29,44.55 77.4,43.66 v1(77.4,42.5)
  In1.Cu w0.25: v1(77.4,42.5) 77.4,42.36 80.41,39.35 83.25,39.35 v1(83.65,38.95)
  Bottom w0.25: v1(83.65,38.95) 83.65,38.62 91.78,30.5 154.08,30.5 155.53,29.04 158.47,29.04 J34.16
PE8: length 91.1
  Top w0.25: U9.59 78.15,45.05 76.75,43.65 v1(76.75,42.5)
  In1.Cu w0.25: v1(83,38.8) 82.9,38.9 80.22,38.9 76.75,42.37 v1(76.75,42.5)
  Bottom w0.25: v1(83,38.8) 83,38.64 91.59,30.04 153.9,30.04 156.26,27.68 J34.15
PF2: length 109.4
  Top w0.25: v1(70.5,39.95) 70.15,39.95 65.35,35.15 U9.12
  In1.Cu w0.25: v1(70.5,39.95) 74.21,39.95 78.41,35.75 82.56,35.75 v1(85.93,32.38)
  Bottom w0.25: J34.10 158.47,21.43 156.57,21.43 156.12,21.87 156.12,23.38 154.32,25.18 154.32,26.43 152.96,27.79 90.5,27.79 85.93,32.37 v1(85.93,32.38)
PF3: length 105.7
  Top w0.25: U9.13 65.85,35 70.15,39.3 v1(70.5,39.3)